# Altium PCB qfc.PcbDoc (part 2 of 13)
Units mil, origin at the board's own origin, x right, y up, seen from the top; angles counter-clockwise.
Board outline 1990 x 2620 mil, 4 copper layers (Top Layer, Mid-Layer 1, Mid-Layer 2, Bottom Layer); 217 components, 187 nets, 805 pads, 370 vias.
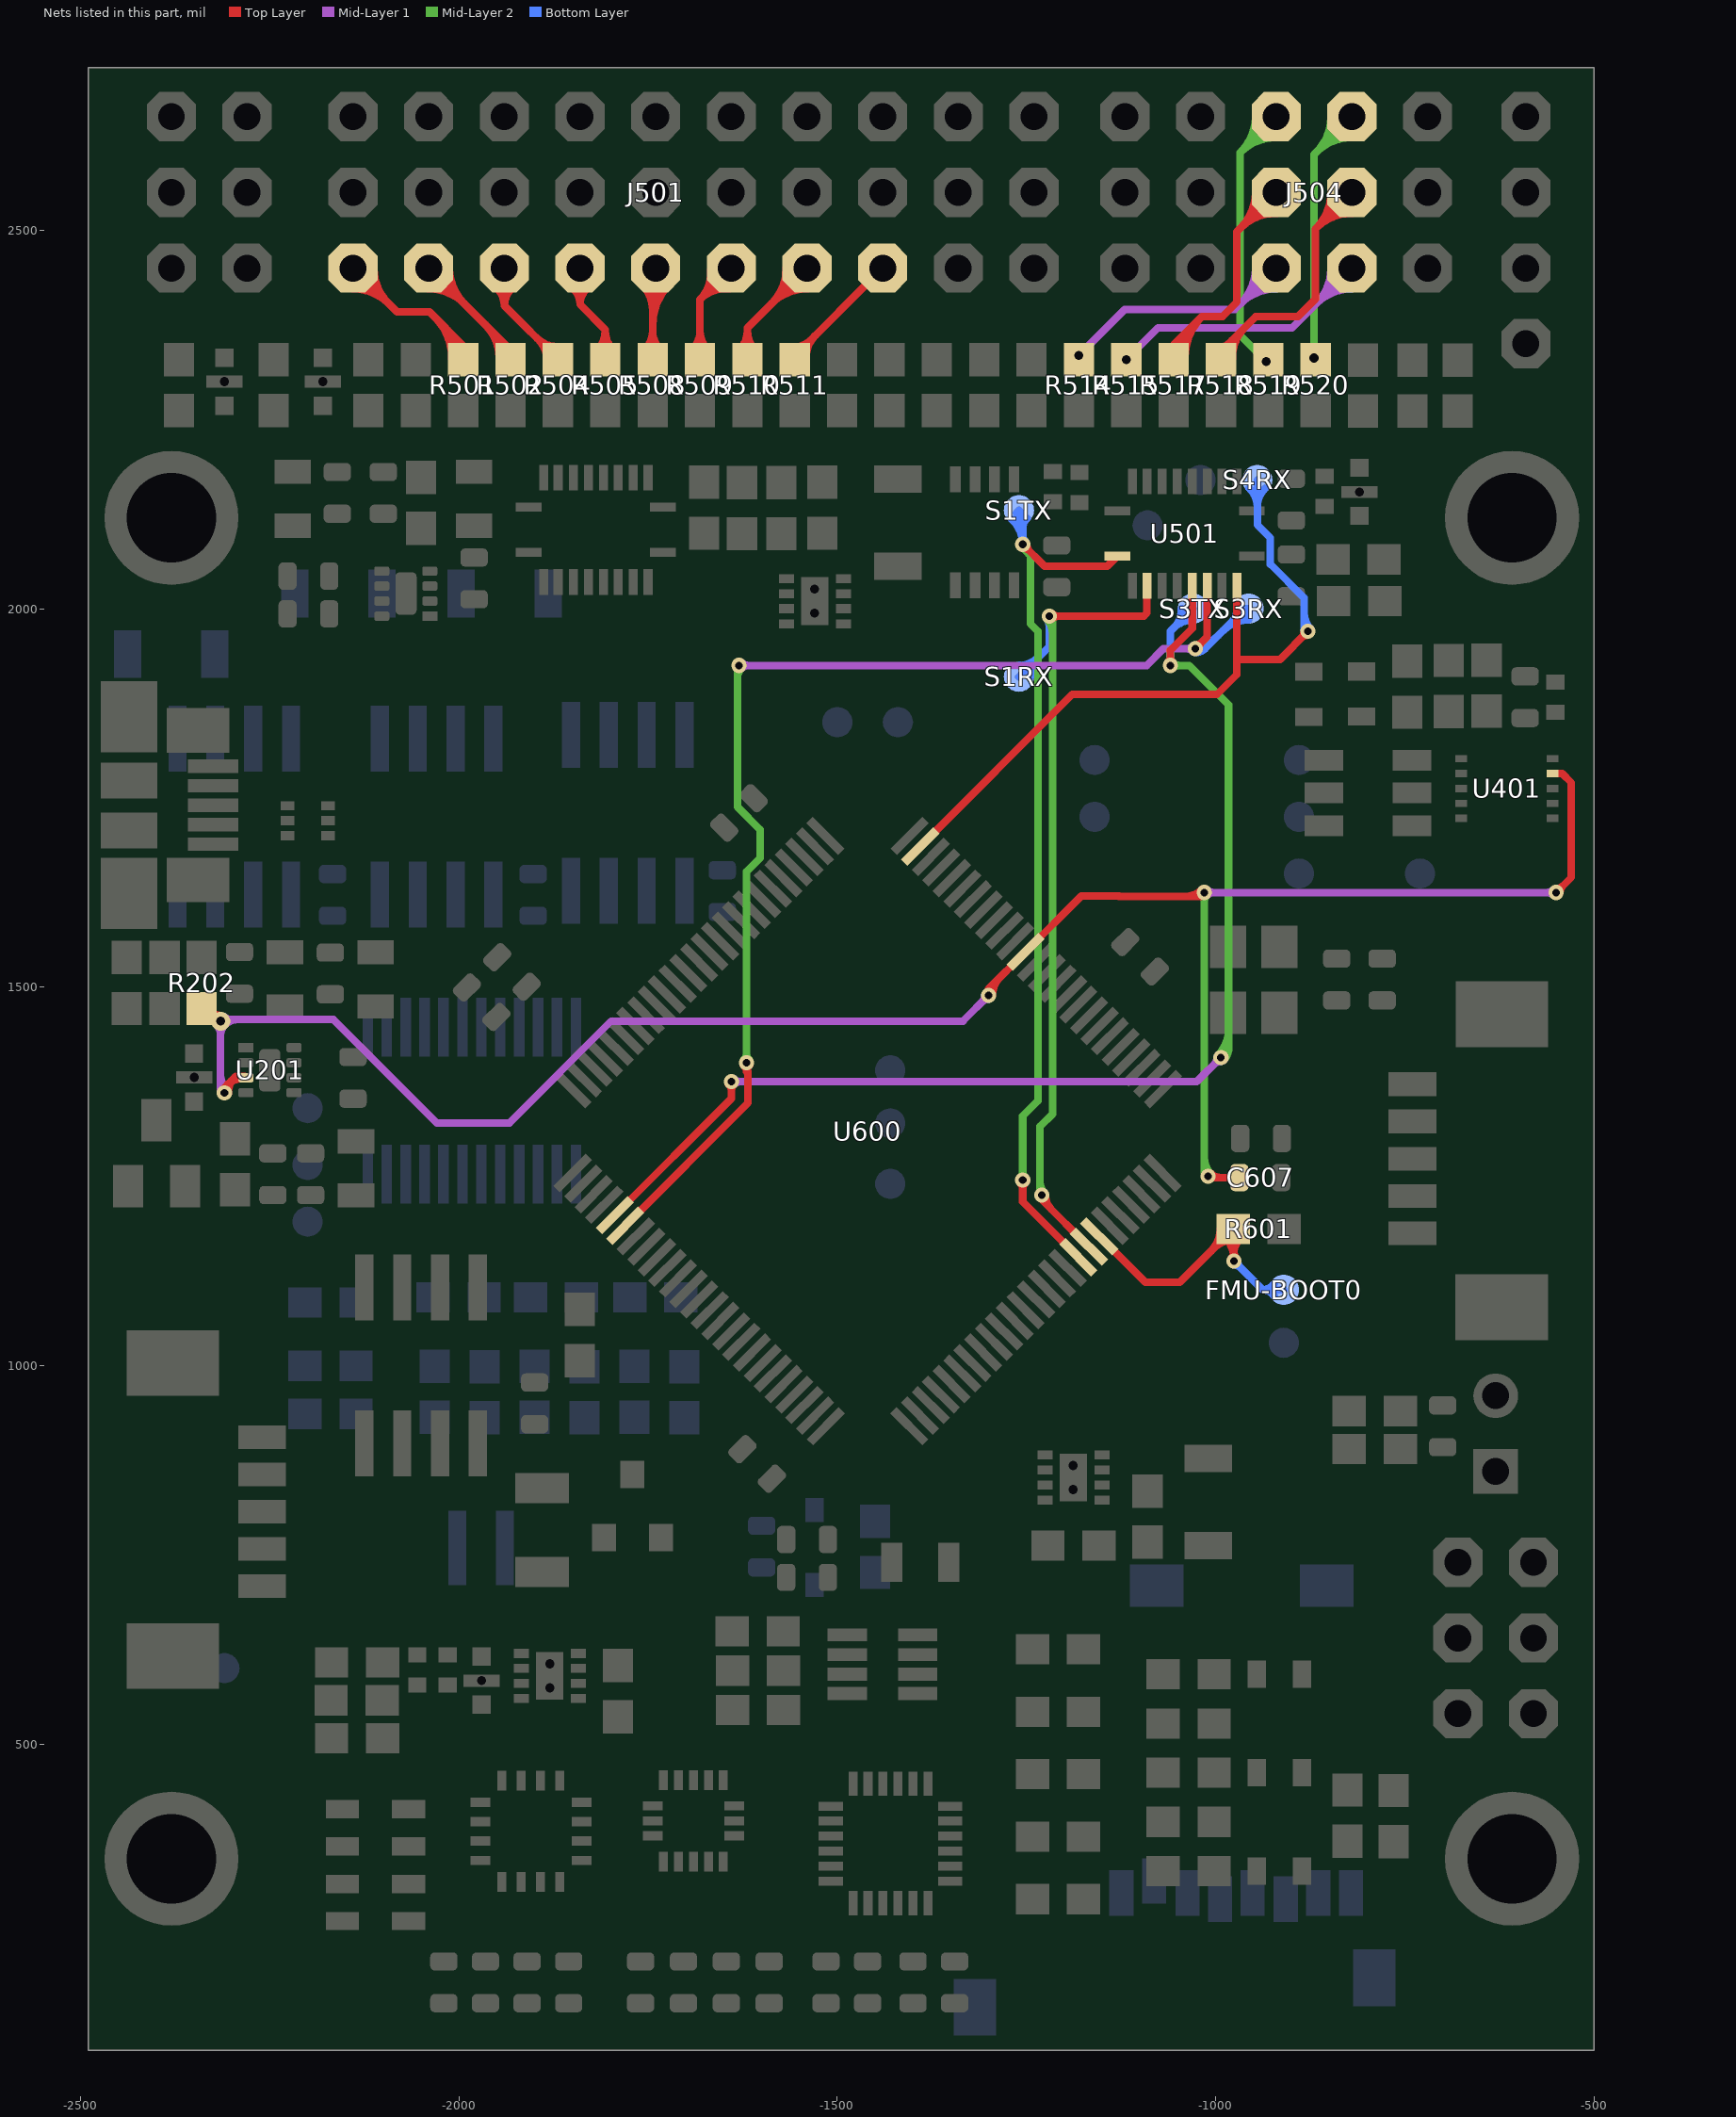
[diagram p4: the nets of this part, all layers, seen from the top]

## Via types
v1: diameter 20, hole 10, Top Layer to Bottom Layer, tented both sides, 256 vias
v2: diameter 22, hole 12, Top Layer to Bottom Layer, tented both sides, 31 vias
v3: diameter 25, hole 15, Top Layer to Bottom Layer, tented both sides, 29 vias
v4: diameter 20, hole 12, Top Layer to Bottom Layer, tented both sides, 17 vias
v5: diameter 30, hole 15, Top Layer to Bottom Layer, tented both sides, 12 vias
v6: diameter 25, hole 12, Top Layer to Bottom Layer, tented both sides, 11 vias
v7: diameter 25, hole 13, Top Layer to Bottom Layer, tented both sides, 5 vias
v8: diameter 40, hole 25, Top Layer to Bottom Layer, tented both sides, 2 vias
v9: diameter 23, hole 13, Top Layer to Bottom Layer, tented both sides, 2 vias
v10: diameter 30, hole 20, Top Layer to Bottom Layer, tented both sides, 2 vias
v11: diameter 20, hole 13, Top Layer to Bottom Layer, tented both sides, 1 vias
v12: diameter 20, hole 15, Top Layer to Bottom Layer, tented both sides, 1 vias
v13: diameter 30, hole 18, Top Layer to Bottom Layer, tented both sides, 1 vias

## Nets (pads, with @x,y where several pads share a name; then routed paths per layer and width w, separated by ;. In a path a pad name is that pad's centre, name@x,y a point inside that pad or via, vN(x,y) a via of type N, cw(c..) or ccw(c..) an arc to the next point about the centre after c; other vN are vias at no path point) (continued)
FMU-!RESET: C607.P$2 R202.1 U201.3 U401.4 U600.14 | length 4335.7
  Top Layer w10: R202.1@-2340,1471.54 -2331.54,1471.54 v6(-2315,1455) ; v1@-2313.53,1363.53 -2295.06,1382 -2283.34,1382 U201.3@-2281.5,1380.16 ; v1(-1300,1489) -1300,1497.84 U600.14@-1251.21,1546.63 -1177.62,1620.22 -1127.79,1620.22 -1127.57,1620 -1020,1620 v1(-1015,1625) ; v1(-1010,1250) -1008.31,1248.31 C607.P$2@-968.54,1248.31 ; U401.4@-555,1782.06 -542.06,1782.06 -530,1770 -530,1645 v1(-550,1625) ; R202.1@-2338.31,1464.83 cw(c-2332.7,1449.16) R202.1@-2320.93,1460.93 ; R202.1@-2338.31,1464.83 cw(c-2332.7,1449.16) R202.1@-2320.93,1460.93 ; R202.1@-2338.31,1464.83 cw(c-2332.7,1449.16) R202.1@-2320.93,1460.93 ; R202.1@-2338.31,1464.83 cw(c-2332.7,1449.16) R202.1@-2320.93,1460.93 ; R202.1@-2327.8,1467.8 cw(c-2340.61,1455) R202.1@-2322.5,1455 ; R202.1@-2327.8,1467.8 ccw(c-2315,1480.61) v6@-2315,1462.5 ; R202.1@-2327.8,1467.8 cw(c-2340.61,1455) R202.1@-2322.5,1455 ; R202.1@-2327.8,1467.8 ccw(c-2315,1480.61) v6@-2315,1462.5 ; R202.1@-2327.8,1467.8 cw(c-2340.61,1455) R202.1@-2322.5,1455 ; R202.1@-2327.8,1467.8 ccw(c-2315,1480.61) v6@-2315,1462.5 ; R202.1@-2327.8,1467.8 cw(c-2340.61,1455) R202.1@-2322.5,1455 ; R202.1@-2327.8,1467.8 ccw(c-2315,1480.61) v6@-2315,1462.5 ; -2306.68,1370.38 cw(c-2285.5,1349.2) U201.3@-2285.5,1379.16 ; -2306.68,1370.38 cw(c-2285.5,1349.2) U201.3@-2285.5,1379.16 ; -2306.68,1370.38 cw(c-2285.5,1349.2) U201.3@-2285.5,1379.16 ; -2306.68,1370.38 cw(c-2285.5,1349.2) U201.3@-2285.5,1379.16 ; v1@-2305,1360 cw(c-2275.88,1360) -2296.47,1380.59 ; v1@-2305,1360 cw(c-2275.88,1360) -2296.47,1380.59 ; v1@-2305,1360 cw(c-2275.88,1360) -2296.47,1380.59 ; v1@-2305,1360 cw(c-2275.88,1360) -2296.47,1380.59 ; -2300.77,1376.3 cw(c-2291.13,1366.66) U201.3@-2285.88,1379.23 ; -2300.77,1376.3 cw(c-2291.13,1366.66) U201.3@-2285.88,1379.23 ; -2300.77,1376.3 cw(c-2291.13,1366.66) U201.3@-2285.88,1379.23 ; -2300.77,1376.3 cw(c-2291.13,1366.66) U201.3@-2285.88,1379.23 ; -2292.36,1382 cw(c-2292.36,1373.29) U201.3@-2286.2,1379.45 ; -2292.36,1382 cw(c-2292.36,1373.29) U201.3@-2286.2,1379.45 ; -2292.36,1382 cw(c-2292.36,1373.29) U201.3@-2286.2,1379.45 ; -2292.36,1382 cw(c-2292.36,1373.29) U201.3@-2286.2,1379.45 ; v1@-1295,1489 cw(c-1261.59,1489) -1285.21,1512.63 ; v1@-1295,1489 cw(c-1261.59,1489) -1285.21,1512.63 ; v1@-1295,1489 cw(c-1261.59,1489) -1285.21,1512.63 ; v1@-1295,1489 cw(c-1261.59,1489) -1285.21,1512.63 ; -1039.14,1620 ccw(c-1039.14,1649.14) v1@-1018.54,1628.54 ; -1039.14,1620 ccw(c-1039.14,1649.14) v1@-1018.54,1628.54 ; -1039.14,1620 ccw(c-1039.14,1649.14) v1@-1018.54,1628.54 ; -1039.14,1620 ccw(c-1039.14,1649.14) v1@-1018.54,1628.54 ; v1@-1006.46,1253.54 ccw(c-993.85,1266.15) -993.85,1248.31 ; v1@-1006.46,1253.54 ccw(c-993.85,1266.15) -993.85,1248.31 ; v1@-1006.46,1253.54 ccw(c-993.85,1266.15) -993.85,1248.31 ; v1@-1006.46,1253.54 ccw(c-993.85,1266.15) -993.85,1248.31 ; -985.44,1248.31 cw(c-985.44,1231.41) C607.P$2@-973.49,1243.36 ; -985.44,1248.31 ccw(c-985.44,1265.21) C607.P$2@-973.49,1253.26 ; -985.44,1248.31 cw(c-985.44,1231.41) C607.P$2@-973.49,1243.36 ; -985.44,1248.31 ccw(c-985.44,1265.21) C607.P$2@-973.49,1253.26 ; -985.44,1248.31 cw(c-985.44,1231.41) C607.P$2@-973.49,1243.36 ; -985.44,1248.31 ccw(c-985.44,1265.21) C607.P$2@-973.49,1253.26 ; -985.44,1248.31 cw(c-985.44,1231.41) C607.P$2@-973.49,1243.36 ; -985.44,1248.31 ccw(c-985.44,1265.21) C607.P$2@-973.49,1253.26 ; v1@-550,1630 ccw(c-550,1642.07) -541.46,1633.54 ; v1@-550,1630 ccw(c-550,1642.07) -541.46,1633.54 ; v1@-550,1630 ccw(c-550,1642.07) -541.46,1633.54 ; v1@-550,1630 ccw(c-550,1642.07) -541.46,1633.54 ; v1@-545,1625 cw(c-532.93,1625) -541.46,1633.54 ; v1@-545,1625 cw(c-532.93,1625) -541.46,1633.54 ; v1@-545,1625 cw(c-532.93,1625) -541.46,1633.54 ; v1@-545,1625 cw(c-532.93,1625) -541.46,1633.54
  Mid-Layer 1 w10: v1@-2315,1360 v6(-2315,1455) ; v6@-2313,1457 -2165.77,1457 -2029.27,1320.5 -1933.39,1320.5 -1798.89,1455 -1334,1455 v1(-1300,1489) ; v1(-1015,1625) v1(-550,1625) ; v6@-2320.3,1449.7 cw(c-2333.11,1436.89) -2315,1436.89 ; v6@-2320.3,1449.7 cw(c-2333.11,1436.89) -2315,1436.89 ; v6@-2320.3,1449.7 cw(c-2333.11,1436.89) -2315,1436.89 ; v6@-2320.3,1449.7 cw(c-2333.11,1436.89) -2315,1436.89 ; -2315,1384.14 ccw(c-2285.86,1384.14) v1@-2306.46,1363.54 ; -2315,1384.14 ccw(c-2285.86,1384.14) v1@-2306.46,1363.54 ; -2315,1384.14 ccw(c-2285.86,1384.14) v1@-2306.46,1363.54 ; -2315,1384.14 ccw(c-2285.86,1384.14) v1@-2306.46,1363.54 ; -2315,1436.89 cw(c-2296.89,1436.89) v6@-2309.7,1449.7 ; -2315,1436.89 cw(c-2296.89,1436.89) v6@-2309.7,1449.7 ; -2315,1436.89 cw(c-2296.89,1436.89) v6@-2309.7,1449.7 ; -2315,1436.89 cw(c-2296.89,1436.89) v6@-2309.7,1449.7 ; v6@-2309.7,1449.7 cw(c-2292.06,1432.07) -2292.06,1457 ; v6@-2309.7,1449.7 cw(c-2292.06,1432.07) -2292.06,1457 ; v6@-2309.7,1449.7 cw(c-2292.06,1432.07) -2292.06,1457 ; v6@-2309.7,1449.7 cw(c-2292.06,1432.07) -2292.06,1457 ; v6@-2309.7,1460.3 ccw(c-2301.72,1468.28) -2301.72,1457 ; v6@-2309.7,1460.3 ccw(c-2301.72,1468.28) -2301.72,1457 ; v6@-2309.7,1460.3 ccw(c-2301.72,1468.28) -2301.72,1457 ; v6@-2309.7,1460.3 ccw(c-2301.72,1468.28) -2301.72,1457 ; -1308.54,1480.46 cw(c-1300,1471.93) v1@-1300,1484 ; -1308.54,1480.46 ccw(c-1317.07,1489) v1@-1305,1489 ; -1308.54,1480.46 cw(c-1300,1471.93) v1@-1300,1484 ; -1308.54,1480.46 ccw(c-1317.07,1489) v1@-1305,1489 ; -1308.54,1480.46 cw(c-1300,1471.93) v1@-1300,1484 ; -1308.54,1480.46 ccw(c-1317.07,1489) v1@-1305,1489 ; -1308.54,1480.46 cw(c-1300,1471.93) v1@-1300,1484 ; -1308.54,1480.46 ccw(c-1317.07,1489) v1@-1305,1489 ; v1@-1011.46,1621.46 cw(c-1002.93,1612.93) -1002.93,1625 ; v1@-1011.46,1621.46 cw(c-1002.93,1612.93) -1002.93,1625 ; v1@-1011.46,1621.46 cw(c-1002.93,1612.93) -1002.93,1625 ; v1@-1011.46,1621.46 cw(c-1002.93,1612.93) -1002.93,1625 ; v1@-1011.46,1628.54 ccw(c-1002.93,1637.07) -1002.93,1625 ; v1@-1011.46,1628.54 ccw(c-1002.93,1637.07) -1002.93,1625 ; v1@-1011.46,1628.54 ccw(c-1002.93,1637.07) -1002.93,1625 ; v1@-1011.46,1628.54 ccw(c-1002.93,1637.07) -1002.93,1625 ; -562.07,1625 cw(c-562.07,1612.93) v1@-553.54,1621.46 ; -562.07,1625 ccw(c-562.07,1637.07) v1@-553.54,1628.54 ; -562.07,1625 cw(c-562.07,1612.93) v1@-553.54,1621.46 ; -562.07,1625 ccw(c-562.07,1637.07) v1@-553.54,1628.54 ; -562.07,1625 cw(c-562.07,1612.93) v1@-553.54,1621.46 ; -562.07,1625 ccw(c-562.07,1637.07) v1@-553.54,1628.54 ; -562.07,1625 cw(c-562.07,1612.93) v1@-553.54,1621.46 ; -562.07,1625 ccw(c-562.07,1637.07) v1@-553.54,1628.54
  Mid-Layer 2 w10: v1(-1015,1625) -1015,1255 v1(-1010,1250) ; v1@-1018.54,1621.46 cw(c-1027.07,1612.93) -1015,1612.93 ; v1@-1018.54,1621.46 cw(c-1027.07,1612.93) -1015,1612.93 ; v1@-1018.54,1621.46 cw(c-1027.07,1612.93) -1015,1612.93 ; v1@-1018.54,1621.46 cw(c-1027.07,1612.93) -1015,1612.93 ; -1015,1274.14 ccw(c-985.86,1274.14) v1@-1006.46,1253.54 ; -1015,1274.14 ccw(c-985.86,1274.14) v1@-1006.46,1253.54 ; -1015,1274.14 ccw(c-985.86,1274.14) v1@-1006.46,1253.54 ; -1015,1274.14 ccw(c-985.86,1274.14) v1@-1006.46,1253.54 ; -1015,1612.93 cw(c-1002.93,1612.93) v1@-1011.46,1621.46 ; -1015,1612.93 cw(c-1002.93,1612.93) v1@-1011.46,1621.46 ; -1015,1612.93 cw(c-1002.93,1612.93) v1@-1011.46,1621.46 ; -1015,1612.93 cw(c-1002.93,1612.93) v1@-1011.46,1621.46
  other v1: -2310,1360
FMU-BOOT0: FMU-BOOT0.P$1 R601.2 U600.94 | length 1108.9
  Top Layer w10: U600.94@-1153.74,1170.78 -1092.97,1110 -1047.3,1110 R601.2@-976.98,1180.31 -976,1179.33 v1(-976,1138) ; -1006.01,1151.29 ccw(c-1035.03,1180.31) R601.2@-993.98,1180.31 ; -1006.01,1151.29 ccw(c-1035.03,1180.31) R601.2@-993.98,1180.31 ; -1006.01,1151.29 ccw(c-1035.03,1180.31) R601.2@-993.98,1180.31 ; -1006.01,1151.29 ccw(c-1035.03,1180.31) R601.2@-993.98,1180.31 ; -1001.18,1156.12 cw(c-978.98,1133.93) R601.2@-978.98,1165.31 ; -1001.18,1156.12 cw(c-978.98,1133.93) R601.2@-978.98,1165.31 ; -1001.18,1156.12 cw(c-978.98,1133.93) R601.2@-978.98,1165.31 ; -1001.18,1156.12 cw(c-978.98,1133.93) R601.2@-978.98,1165.31 ; R601.2@-987.59,1169.71 cw(c-1015.58,1141.72) v1@-976,1141.72 ; R601.2@-987.59,1169.71 cw(c-1015.58,1141.72) v1@-976,1141.72 ; R601.2@-987.59,1169.71 cw(c-1015.58,1141.72) v1@-976,1141.72 ; R601.2@-987.59,1169.71 cw(c-1015.58,1141.72) v1@-976,1141.72 ; v1@-979.54,1141.54 ccw(c-988.07,1150.07) -976,1150.07 ; v1@-979.54,1141.54 ccw(c-988.07,1150.07) -976,1150.07 ; v1@-979.54,1141.54 ccw(c-988.07,1150.07) -976,1150.07 ; v1@-979.54,1141.54 ccw(c-988.07,1150.07) -976,1150.07 ; v1@-976,1146.48 cw(c-943.15,1146.48) R601.2@-966.38,1169.71 ; v1@-976,1146.48 cw(c-943.15,1146.48) R601.2@-966.38,1169.71 ; v1@-976,1146.48 cw(c-943.15,1146.48) R601.2@-966.38,1169.71 ; v1@-976,1146.48 cw(c-943.15,1146.48) R601.2@-966.38,1169.71 ; -976,1150.07 ccw(c-963.93,1150.07) v1@-972.46,1141.54 ; -976,1150.07 ccw(c-963.93,1150.07) v1@-972.46,1141.54 ; -976,1150.07 ccw(c-963.93,1150.07) v1@-972.46,1141.54 ; -976,1150.07 ccw(c-963.93,1150.07) v1@-972.46,1141.54
  Bottom Layer w10: v1(-976,1138) -938,1100 ; FMU-BOOT0.P$1@-910,1100 -938,1100 ; v1@-976,1133 cw(c-976,1120.93) -967.46,1129.46 ; v1@-976,1133 cw(c-976,1120.93) -967.46,1129.46 ; v1@-976,1133 cw(c-976,1120.93) -967.46,1129.46 ; v1@-976,1133 cw(c-976,1120.93) -967.46,1129.46 ; v1@-971,1138 ccw(c-958.93,1138) -967.46,1129.46 ; v1@-971,1138 ccw(c-958.93,1138) -967.46,1129.46 ; v1@-971,1138 ccw(c-958.93,1138) -967.46,1129.46 ; v1@-971,1138 ccw(c-958.93,1138) -967.46,1129.46 ; -938,1100 cw(c-938,1081.37) FMU-BOOT0.P$1@-922.49,1091.69 ; -938,1100 ccw(c-938,1118.63) FMU-BOOT0.P$1@-922.49,1108.31 ; -938,1100 cw(c-938,1081.37) FMU-BOOT0.P$1@-922.49,1091.69 ; -938,1100 ccw(c-938,1118.63) FMU-BOOT0.P$1@-922.49,1108.31 ; -938,1100 cw(c-938,1081.37) FMU-BOOT0.P$1@-922.49,1091.69 ; -938,1100 ccw(c-938,1118.63) FMU-BOOT0.P$1@-922.49,1108.31 ; -938,1100 cw(c-938,1081.37) FMU-BOOT0.P$1@-922.49,1091.69 ; -938,1100 ccw(c-938,1118.63) FMU-BOOT0.P$1@-922.49,1108.31
FMU-F1: J501.7 R510.2 | length 1063.8
  Top Layer w10: R510.2@-1618.89,2329 -1618.89,2371.11 J501.7@-1540,2450 ; R510.2@-1629.5,2341.61 ccw(c-1655.1,2367.21) -1618.89,2367.21 ; R510.2@-1629.5,2341.61 ccw(c-1655.1,2367.21) -1618.89,2367.21 ; R510.2@-1629.5,2341.61 ccw(c-1655.1,2367.21) -1618.89,2367.21 ; R510.2@-1629.5,2341.61 ccw(c-1655.1,2367.21) -1618.89,2367.21 ; -1618.89,2367.21 ccw(c-1582.68,2367.21) R510.2@-1608.28,2341.61 ; -1618.89,2367.21 ccw(c-1582.68,2367.21) R510.2@-1608.28,2341.61 ; -1618.89,2367.21 ccw(c-1582.68,2367.21) R510.2@-1608.28,2341.61 ; -1618.89,2367.21 ccw(c-1582.68,2367.21) R510.2@-1608.28,2341.61 ; -1586.95,2403.06 cw(c-1540,2356.11) J501.7@-1540,2422.5 ; -1586.95,2403.06 ccw(c-1633.89,2450) J501.7@-1567.5,2450 ; -1586.95,2403.06 cw(c-1540,2356.11) J501.7@-1540,2422.5 ; -1586.95,2403.06 ccw(c-1633.89,2450) J501.7@-1567.5,2450 ; -1586.95,2403.06 cw(c-1540,2356.11) J501.7@-1540,2422.5 ; -1586.95,2403.06 ccw(c-1633.89,2450) J501.7@-1567.5,2450 ; -1586.95,2403.06 cw(c-1540,2356.11) J501.7@-1540,2422.5 ; -1586.95,2403.06 ccw(c-1633.89,2450) J501.7@-1567.5,2450 ; -1569.87,2420.13 cw(c-1540,2390.25) J501.7@-1540,2432.5 ; -1569.87,2420.13 ccw(c-1599.75,2450) J501.7@-1557.5,2450 ; -1569.87,2420.13 cw(c-1540,2390.25) J501.7@-1540,2432.5 ; -1569.87,2420.13 ccw(c-1599.75,2450) J501.7@-1557.5,2450 ; -1569.87,2420.13 cw(c-1540,2390.25) J501.7@-1540,2432.5 ; -1569.87,2420.13 ccw(c-1599.75,2450) J501.7@-1557.5,2450 ; -1569.87,2420.13 cw(c-1540,2390.25) J501.7@-1540,2432.5 ; -1569.87,2420.13 ccw(c-1599.75,2450) J501.7@-1557.5,2450
FMU-F2: J501.8 R511.2 | length 396.7
  Top Layer w10: R511.2@-1556.3,2329 -1556.3,2333.7 J501.8@-1440,2450 ; R511.2@-1556.3,2346 ccw(c-1556.3,2375.69) -1535.3,2354.7 ; R511.2@-1556.3,2346 ccw(c-1556.3,2375.69) -1535.3,2354.7 ; R511.2@-1556.3,2346 ccw(c-1556.3,2375.69) -1535.3,2354.7 ; R511.2@-1556.3,2346 ccw(c-1556.3,2375.69) -1535.3,2354.7 ; R511.2@-1541.3,2331 cw(c-1498.56,2331) -1528.78,2361.22 ; R511.2@-1541.3,2331 cw(c-1498.56,2331) -1528.78,2361.22 ; R511.2@-1541.3,2331 cw(c-1498.56,2331) -1528.78,2361.22 ; R511.2@-1541.3,2331 cw(c-1498.56,2331) -1528.78,2361.22
FMU-M1: J501.1 R501.2 | length 1290.2
  Top Layer w10: J501.1@-2140,2450 -2082,2392 -2039,2392 -1994.45,2347.45 R501.2@-1994.45,2329 ; J501.1@-2140,2422.5 cw(c-2140,2356.11) -2093.05,2403.06 ; J501.1@-2140,2422.5 cw(c-2140,2356.11) -2093.05,2403.06 ; J501.1@-2140,2422.5 cw(c-2140,2356.11) -2093.05,2403.06 ; J501.1@-2140,2422.5 cw(c-2140,2356.11) -2093.05,2403.06 ; J501.1@-2140,2432.5 cw(c-2140,2390.25) -2110.13,2420.13 ; J501.1@-2140,2432.5 cw(c-2140,2390.25) -2110.13,2420.13 ; J501.1@-2140,2432.5 cw(c-2140,2390.25) -2110.13,2420.13 ; J501.1@-2140,2432.5 cw(c-2140,2390.25) -2110.13,2420.13 ; J501.1@-2122.5,2450 ccw(c-2080.25,2450) -2110.13,2420.13 ; J501.1@-2122.5,2450 ccw(c-2080.25,2450) -2110.13,2420.13 ; J501.1@-2122.5,2450 ccw(c-2080.25,2450) -2110.13,2420.13 ; J501.1@-2122.5,2450 ccw(c-2080.25,2450) -2110.13,2420.13 ; J501.1@-2112.5,2450 ccw(c-2046.11,2450) -2093.05,2403.06 ; J501.1@-2112.5,2450 ccw(c-2046.11,2450) -2093.05,2403.06 ; J501.1@-2112.5,2450 ccw(c-2046.11,2450) -2093.05,2403.06 ; J501.1@-2112.5,2450 ccw(c-2046.11,2450) -2093.05,2403.06 ; -2031.68,2384.68 cw(c-2085.36,2331) R501.2@-2009.45,2331 ; -2031.68,2384.68 cw(c-2085.36,2331) R501.2@-2009.45,2331 ; -2031.68,2384.68 cw(c-2085.36,2331) R501.2@-2009.45,2331 ; -2031.68,2384.68 cw(c-2085.36,2331) R501.2@-2009.45,2331 ; -2014.61,2367.61 cw(c-2051.22,2331) R501.2@-1999.45,2331 ; -2014.61,2367.61 cw(c-2051.22,2331) R501.2@-1999.45,2331 ; -2014.61,2367.61 cw(c-2051.22,2331) R501.2@-1999.45,2331 ; -2014.61,2367.61 cw(c-2051.22,2331) R501.2@-1999.45,2331
FMU-M2: J501.2 R502.2 | length 1164.7
  Top Layer w10: J501.2@-2040,2450 -1931.85,2341.85 R502.2@-1931.85,2329 ; J501.2@-2040,2422.5 cw(c-2040,2356.11) -1993.05,2403.06 ; J501.2@-2040,2422.5 cw(c-2040,2356.11) -1993.05,2403.06 ; J501.2@-2040,2422.5 cw(c-2040,2356.11) -1993.05,2403.06 ; J501.2@-2040,2422.5 cw(c-2040,2356.11) -1993.05,2403.06 ; J501.2@-2040,2432.5 cw(c-2040,2390.25) -2010.13,2420.13 ; J501.2@-2040,2432.5 cw(c-2040,2390.25) -2010.13,2420.13 ; J501.2@-2040,2432.5 cw(c-2040,2390.25) -2010.13,2420.13 ; J501.2@-2040,2432.5 cw(c-2040,2390.25) -2010.13,2420.13 ; J501.2@-2022.5,2450 ccw(c-1980.25,2450) -2010.13,2420.13 ; J501.2@-2022.5,2450 ccw(c-1980.25,2450) -2010.13,2420.13 ; J501.2@-2022.5,2450 ccw(c-1980.25,2450) -2010.13,2420.13 ; J501.2@-2022.5,2450 ccw(c-1980.25,2450) -2010.13,2420.13 ; J501.2@-2012.5,2450 ccw(c-1946.11,2450) -1993.05,2403.06 ; J501.2@-2012.5,2450 ccw(c-1946.11,2450) -1993.05,2403.06 ; J501.2@-2012.5,2450 ccw(c-1946.11,2450) -1993.05,2403.06 ; J501.2@-2012.5,2450 ccw(c-1946.11,2450) -1993.05,2403.06 ; -1965.13,2375.13 cw(c-2009.27,2331) R502.2@-1946.85,2331 ; -1965.13,2375.13 cw(c-2009.27,2331) R502.2@-1946.85,2331 ; -1965.13,2375.13 cw(c-2009.27,2331) R502.2@-1946.85,2331 ; -1965.13,2375.13 cw(c-2009.27,2331) R502.2@-1946.85,2331 ; -1948.06,2358.06 cw(c-1975.12,2331) R502.2@-1936.85,2331 ; -1948.06,2358.06 cw(c-1975.12,2331) R502.2@-1936.85,2331 ; -1948.06,2358.06 cw(c-1975.12,2331) R502.2@-1936.85,2331 ; -1948.06,2358.06 cw(c-1975.12,2331) R502.2@-1936.85,2331
FMU-M3: J501.3 R504.2 | length 629.2
  Top Layer w10: J501.3@-1940,2450 -1940,2400.36 ; R504.2@-1869.26,2329 -1869.26,2329.62 -1940,2400.36 ; J501.3@-1954.58,2426.69 cw(c-1971.05,2400.36) -1940,2400.36 ; J501.3@-1954.58,2426.69 cw(c-1971.05,2400.36) -1940,2400.36 ; J501.3@-1954.58,2426.69 cw(c-1971.05,2400.36) -1940,2400.36 ; J501.3@-1954.58,2426.69 cw(c-1971.05,2400.36) -1940,2400.36 ; -1940,2400.36 cw(c-1908.95,2400.36) J501.3@-1925.42,2426.69 ; -1940,2400.36 cw(c-1908.95,2400.36) J501.3@-1925.42,2426.69 ; -1940,2400.36 cw(c-1908.95,2400.36) J501.3@-1925.42,2426.69 ; -1940,2400.36 cw(c-1908.95,2400.36) J501.3@-1925.42,2426.69 ; -1897.22,2357.58 ccw(c-1869.26,2385.54) R504.2@-1869.26,2346 ; -1897.22,2357.58 ccw(c-1869.26,2385.54) R504.2@-1869.26,2346 ; -1897.22,2357.58 ccw(c-1869.26,2385.54) R504.2@-1869.26,2346 ; -1897.22,2357.58 ccw(c-1869.26,2385.54) R504.2@-1869.26,2346 ; -1893.89,2354.25 cw(c-1917.14,2331) R504.2@-1884.26,2331 ; -1893.89,2354.25 cw(c-1917.14,2331) R504.2@-1884.26,2331 ; -1893.89,2354.25 cw(c-1917.14,2331) R504.2@-1884.26,2331 ; -1893.89,2354.25 cw(c-1917.14,2331) R504.2@-1884.26,2331
FMU-M4: J501.4 R505.2 | length 596.6
  Top Layer w10: J501.4@-1840,2450 -1840,2402 ; R505.2@-1806.67,2329 -1806.67,2368.67 -1840,2402 ; J501.4@-1853.91,2426.28 cw(c-1868.14,2402) -1840,2402 ; J501.4@-1853.91,2426.28 cw(c-1868.14,2402) -1840,2402 ; J501.4@-1853.91,2426.28 cw(c-1868.14,2402) -1840,2402 ; J501.4@-1853.91,2426.28 cw(c-1868.14,2402) -1840,2402 ; -1840,2402 cw(c-1811.86,2402) J501.4@-1826.09,2426.28 ; -1840,2402 cw(c-1811.86,2402) J501.4@-1826.09,2426.28 ; -1840,2402 cw(c-1811.86,2402) J501.4@-1826.09,2426.28 ; -1840,2402 cw(c-1811.86,2402) J501.4@-1826.09,2426.28 ; R505.2@-1817.27,2341.61 ccw(c-1842.88,2367.21) -1806.67,2367.21 ; R505.2@-1817.27,2341.61 ccw(c-1842.88,2367.21) -1806.67,2367.21 ; R505.2@-1817.27,2341.61 ccw(c-1842.88,2367.21) -1806.67,2367.21 ; R505.2@-1817.27,2341.61 ccw(c-1842.88,2367.21) -1806.67,2367.21 ; -1806.67,2367.21 ccw(c-1770.45,2367.21) R505.2@-1796.06,2341.61 ; -1806.67,2367.21 ccw(c-1770.45,2367.21) R505.2@-1796.06,2341.61 ; -1806.67,2367.21 ccw(c-1770.45,2367.21) R505.2@-1796.06,2341.61 ; -1806.67,2367.21 ccw(c-1770.45,2367.21) R505.2@-1796.06,2341.61
FMU-M5: J501.5 R508.2 | length 1032.8
  Top Layer w10: R508.2@-1744.08,2329 -1744.08,2445.93 J501.5@-1740,2450 ; J501.5@-1759.45,2430.56 cw(c-1796.55,2393.45) -1744.08,2393.45 ; J501.5@-1759.45,2430.56 cw(c-1796.55,2393.45) -1744.08,2393.45 ; J501.5@-1759.45,2430.56 cw(c-1796.55,2393.45) -1744.08,2393.45 ; J501.5@-1759.45,2430.56 cw(c-1796.55,2393.45) -1744.08,2393.45 ; R508.2@-1754.68,2341.61 ccw(c-1780.29,2367.21) -1744.08,2367.21 ; R508.2@-1754.68,2341.61 ccw(c-1780.29,2367.21) -1744.08,2367.21 ; R508.2@-1754.68,2341.61 ccw(c-1780.29,2367.21) -1744.08,2367.21 ; R508.2@-1754.68,2341.61 ccw(c-1780.29,2367.21) -1744.08,2367.21 ; J501.5@-1752.37,2437.63 cw(c-1772.41,2417.59) J501.5@-1744.08,2417.59 ; J501.5@-1752.37,2437.63 cw(c-1772.41,2417.59) J501.5@-1744.08,2417.59 ; J501.5@-1752.37,2437.63 cw(c-1772.41,2417.59) J501.5@-1744.08,2417.59 ; J501.5@-1752.37,2437.63 cw(c-1772.41,2417.59) J501.5@-1744.08,2417.59 ; -1744.08,2367.21 ccw(c-1707.86,2367.21) R508.2@-1733.47,2341.61 ; -1744.08,2367.21 ccw(c-1707.86,2367.21) R508.2@-1733.47,2341.61 ; -1744.08,2367.21 ccw(c-1707.86,2367.21) R508.2@-1733.47,2341.61 ; -1744.08,2367.21 ccw(c-1707.86,2367.21) R508.2@-1733.47,2341.61 ; -1744.08,2373.77 cw(c-1663.77,2373.77) J501.5@-1720.55,2430.56 ; -1744.08,2373.77 cw(c-1663.77,2373.77) J501.5@-1720.55,2430.56 ; -1744.08,2373.77 cw(c-1663.77,2373.77) J501.5@-1720.55,2430.56 ; -1744.08,2373.77 cw(c-1663.77,2373.77) J501.5@-1720.55,2430.56 ; -1744.08,2397.91 cw(c-1687.91,2397.91) J501.5@-1727.63,2437.63 ; -1744.08,2397.91 cw(c-1687.91,2397.91) J501.5@-1727.63,2437.63 ; -1744.08,2397.91 cw(c-1687.91,2397.91) J501.5@-1727.63,2437.63 ; -1744.08,2397.91 cw(c-1687.91,2397.91) J501.5@-1727.63,2437.63
FMU-M6: J501.6 R509.2 | length 926
  Top Layer w10: R509.2@-1681.48,2329 -1681.48,2408.52 ; J501.6@-1640,2450 -1681.48,2408.52 ; R509.2@-1692.09,2341.61 ccw(c-1717.7,2367.21) -1681.48,2367.21 ; R509.2@-1692.09,2341.61 ccw(c-1717.7,2367.21) -1681.48,2367.21 ; R509.2@-1692.09,2341.61 ccw(c-1717.7,2367.21) -1681.48,2367.21 ; R509.2@-1692.09,2341.61 ccw(c-1717.7,2367.21) -1681.48,2367.21 ; -1681.48,2367.21 ccw(c-1645.27,2367.21) R509.2@-1670.88,2341.61 ; -1681.48,2367.21 ccw(c-1645.27,2367.21) R509.2@-1670.88,2341.61 ; -1681.48,2367.21 ccw(c-1645.27,2367.21) R509.2@-1670.88,2341.61 ; -1681.48,2367.21 ccw(c-1645.27,2367.21) R509.2@-1670.88,2341.61 ; -1681.48,2408.52 cw(c-1646.96,2374) J501.6@-1642.51,2422.62 ; -1681.48,2408.52 ccw(c-1716,2443.04) J501.6@-1667.39,2447.49 ; -1681.48,2408.52 cw(c-1646.96,2374) J501.6@-1642.51,2422.62 ; -1681.48,2408.52 ccw(c-1716,2443.04) J501.6@-1667.39,2447.49 ; -1681.48,2408.52 cw(c-1646.96,2374) J501.6@-1642.51,2422.62 ; -1681.48,2408.52 ccw(c-1716,2443.04) J501.6@-1667.39,2447.49 ; -1681.48,2408.52 cw(c-1646.96,2374) J501.6@-1642.51,2422.62 ; -1681.48,2408.52 ccw(c-1716,2443.04) J501.6@-1667.39,2447.49 ; -1666.4,2423.6 cw(c-1644.43,2401.64) J501.6@-1641.6,2432.57 ; -1666.4,2423.6 ccw(c-1688.36,2445.57) J501.6@-1657.43,2448.4 ; -1666.4,2423.6 cw(c-1644.43,2401.64) J501.6@-1641.6,2432.57 ; -1666.4,2423.6 ccw(c-1688.36,2445.57) J501.6@-1657.43,2448.4 ; -1666.4,2423.6 cw(c-1644.43,2401.64) J501.6@-1641.6,2432.57 ; -1666.4,2423.6 ccw(c-1688.36,2445.57) J501.6@-1657.43,2448.4 ; -1666.4,2423.6 cw(c-1644.43,2401.64) J501.6@-1641.6,2432.57 ; -1666.4,2423.6 ccw(c-1688.36,2445.57) J501.6@-1657.43,2448.4